# Altium PCB DB_Main-X03.PcbDoc (part 2 of 3) (continued)
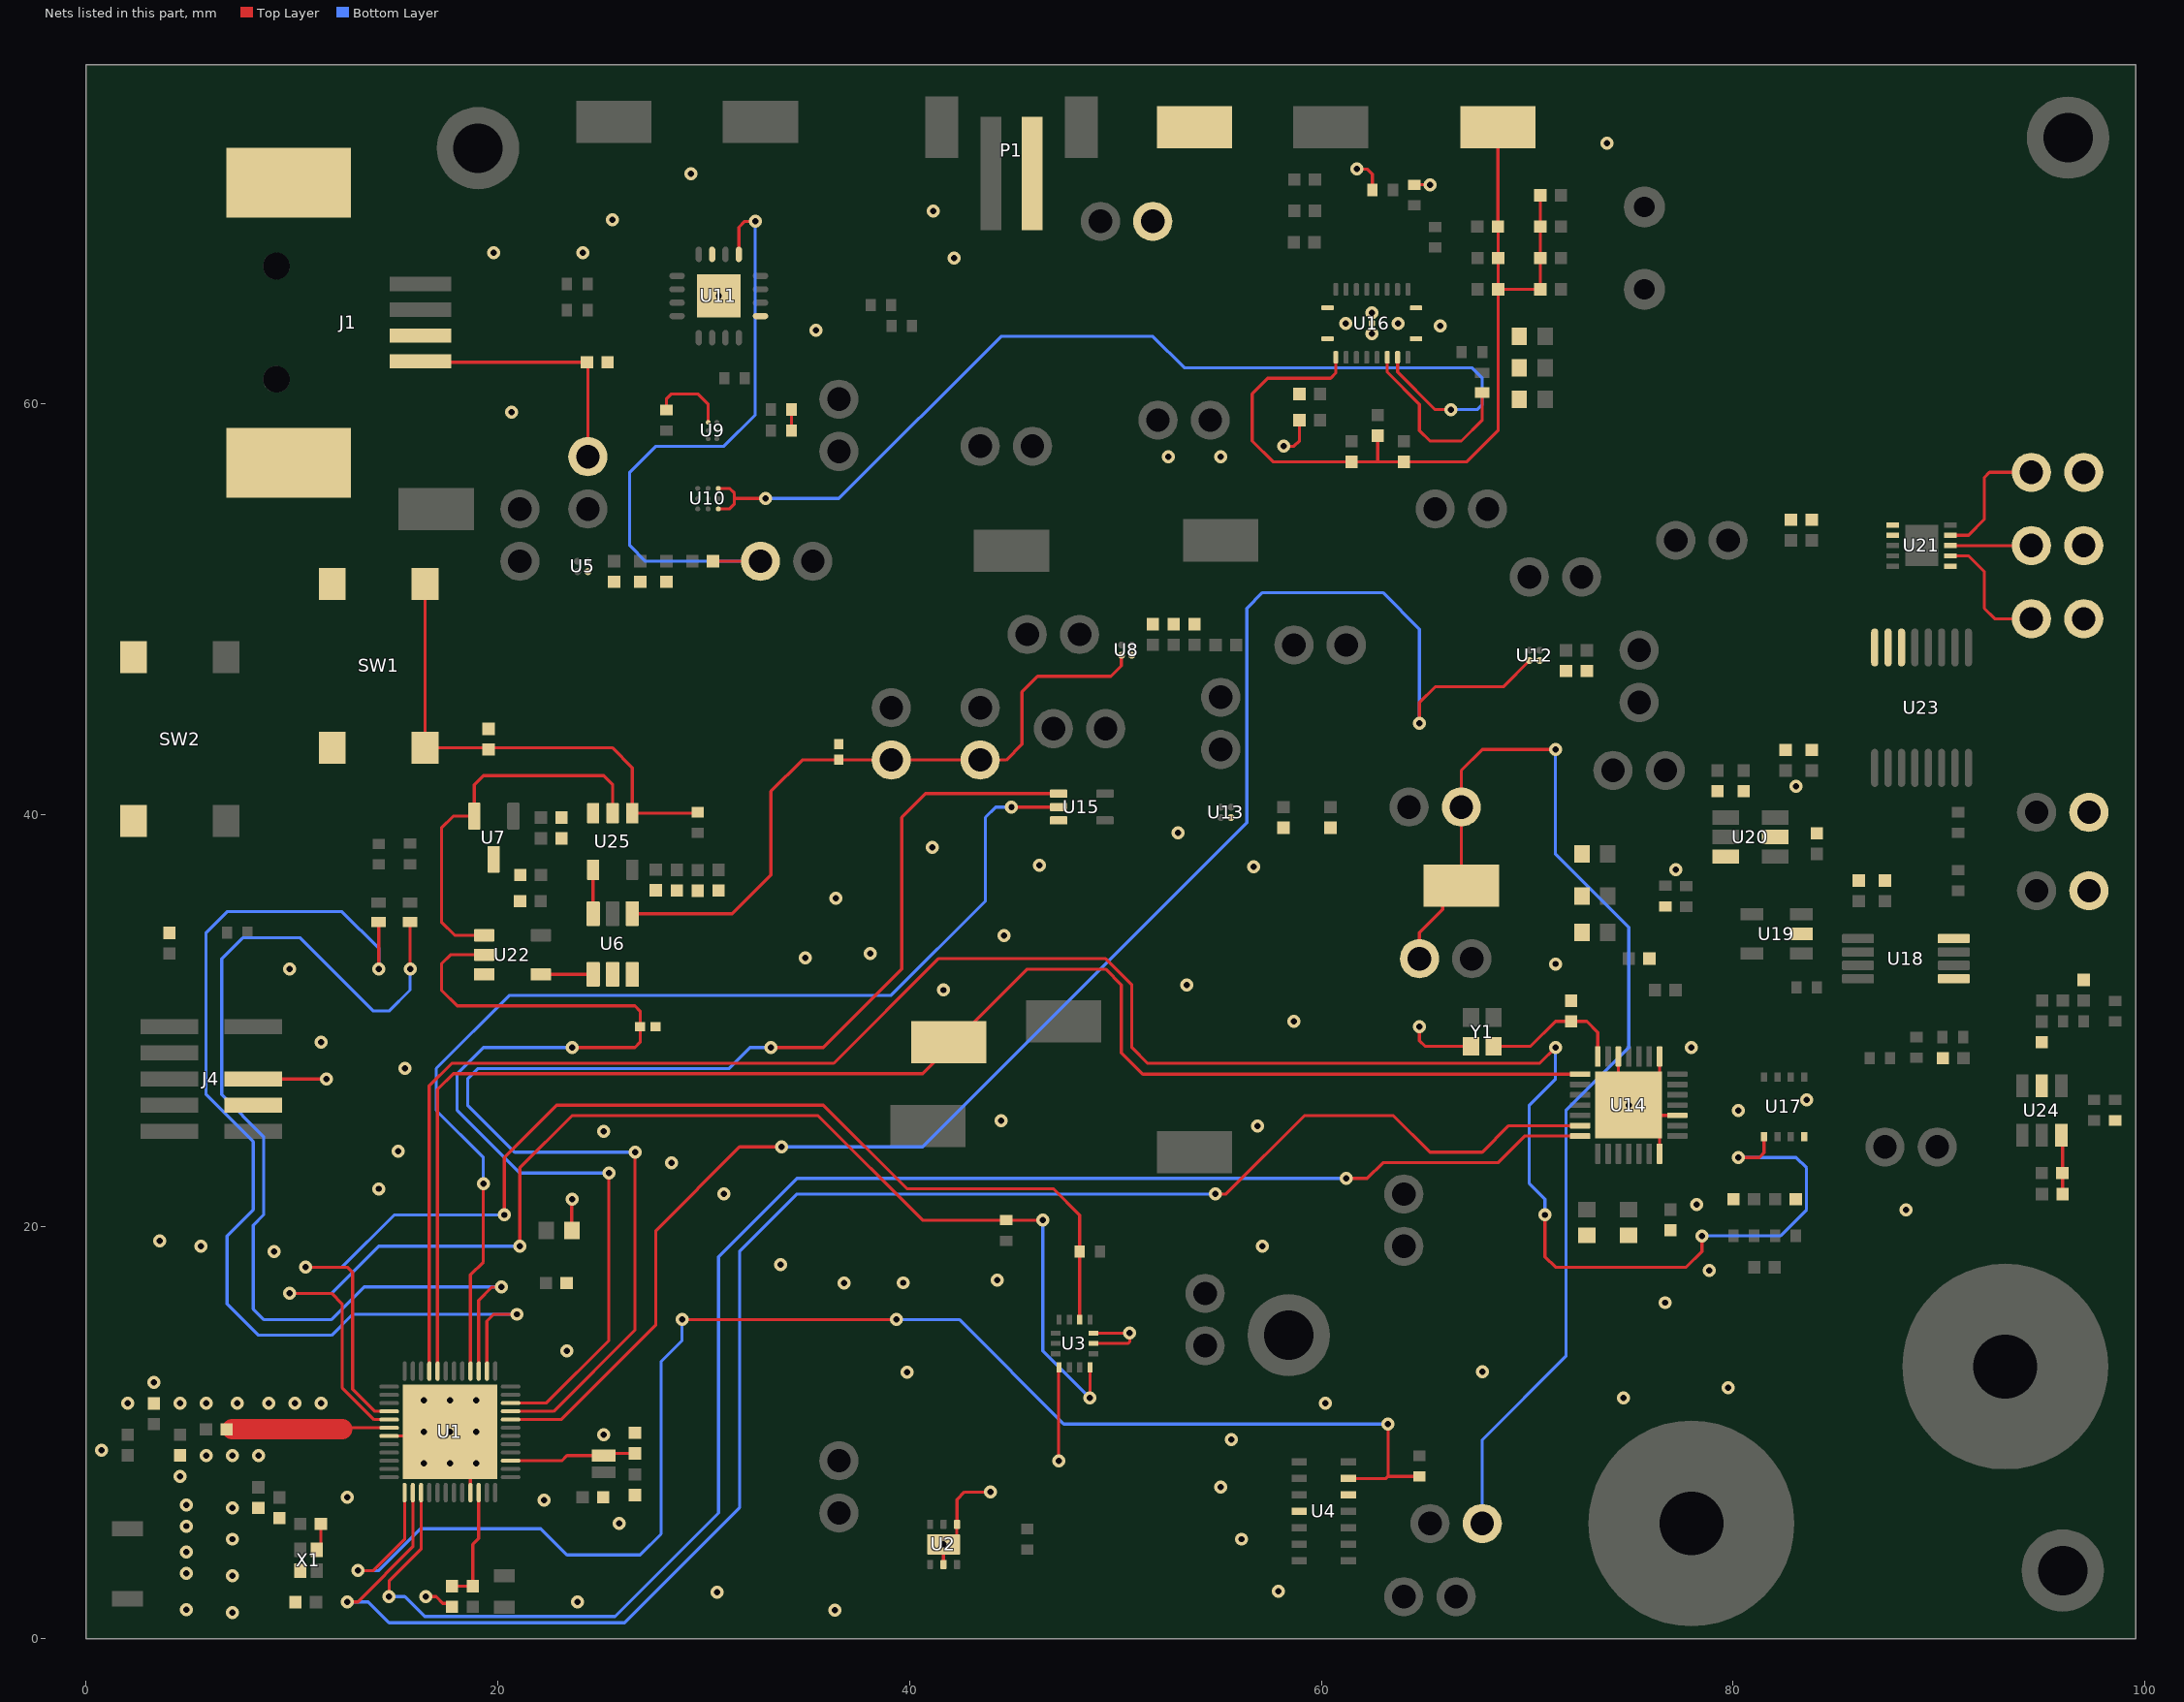
[diagram p2: the nets of this part, all layers, seen from the top]
## Part data (continued)
U16: library part TI-BQ51013B-RHL20, "WPC 1.1 Compatible Fully Integrated Wireless Power Receiver IC, 4 V Min Input, 20-pin VQFN (RHL), Green (RoHS & no Sb/Br)", Case/Package=VQFN, Manufacturer="Texas Instruments", Max Operating Temperature=125°C, Min Operating Temperature=0°C, Operating Supply Current=8mA, Output Current=1.5A, Output Voltage=5V, Package Quantity=3000, Supplier Part Number 1=296-38885-1-ND, Category="Power Management ICs", ComponentLink1Description=https://www.ti.com:443/lit/ds/symlink/bq51013b.pdf?src-supplier=IHS+Markit, ComponentLink1URL=https://www.ti.com:443/lit/ds/symlink/bq51013b.pdf?src-supplier=IHS+Markit, ComponentLink2Description=https://datasheet.ciiva.com/6601/bq51013b-6601292.pdf?src-supplier=Digi-Key, ComponentLink2URL=https://datasheet.ciiva.com/6601/bq51013b-6601292.pdf?src-supplier=Digi-Key, Contact Plating=Gold, Lead Free="Lead Free", Logic Function=Receiver, Manufacturer Part Number=BQ51013BRHLR, Mount="Surface Mount", Number of Pins=20, Packaging="Tape and Reel", Pricing 1="1=3.33000, 10=2.97000, 25=2.67320, 100=2.43540, 250=2.19780, 500=1.97208, 1000=1.66320 (USD)", RoHS=Yes, Stock 1=8882, Supplier 1=Digi-Key
U17: library part CY15B108QI, "Memory Circuit, 8 MB FRAM", Manufacturer=Cypress, Manufacturer Part Number=CY15B108QI-20LPXI, Supplier Part Number 1=428-4721-ND, Category=Memory, ComponentLink1Description=https://datasheet.ciiva.com:443/pdfs/VipMasterIC/IC/CYPR/CYPR-S-A0008987076/CYPR-S-A0008987076-1.pdf?src-supplier=IHS+Markit, ComponentLink1URL=https://datasheet.ciiva.com:443/pdfs/VipMasterIC/IC/CYPR/CYPR-S-A0008987076/CYPR-S-A0008987076-1.pdf?src-supplier=IHS+Markit, Pricing 1="1=32.50000, 10=30.55500, 25=29.50560, 50=28.56820, 100=25.13780, 250=24.46300, 500=23.71318, 1000=23.43200 (USD)", RoHS=No, Stock 1=1421, Supplier 1=Digi-Key
U18: library part AD8237, "Instrumentation Amplifier, 1 Func, 75uV Offset-Max, 0.2MHz Band Width, CMOS, PDSO8", Case/Package=MSOP, Input Bias Current=250pA, Input Offset Voltage (Vos)=75uV, Manufacturer="Analog Devices", Manufacturer Part Number=AD8237ARMZ-R7, Max Operating Temperature=125°C, Max Supply Voltage=5.5V, Min Operating Temperature=-40°C, Min Supply Voltage=1.8V, Nominal Supply Current=115uA, Output Current per Channel=4mA, Package Quantity=1, Supplier Part Number 1=AD8237ARMZ-R7CT-ND, Voltage Gain=60dB, -3db Bandwidth=200kHz, Bandwidth=20kHz, Category="Amplifiers - Op Amps, Buffer, Instrumentation", Common Mode Rejection Ratio=106dB, ComponentLink1Description=https://datasheet.ciiva.com:443/pdfs/VipMasterIC/IC/ANDI/ANDIS13412/ANDIS13412-1.pdf?src-supplier=IHS+Markit, ComponentLink1URL=https://datasheet.ciiva.com:443/pdfs/VipMasterIC/IC/ANDI/ANDIS13412/ANDIS13412-1.pdf?src-supplier=IHS+Markit, ComponentLink2Description=https://datasheet.ciiva.com/6626/ad8237-6626733.pdf?src-supplier=Digi-Key, ComponentLink2URL=https://datasheet.ciiva.com/6626/ad8237-6626733.pdf?src-supplier=Digi-Key, ComponentLink3Description=https://datasheet.ciiva.com/8582/ad8237-8582303.pdf?src-supplier=Avnet, ComponentLink3URL=https://datasheet.ciiva.com/8582/ad8237-8582303.pdf?src-supplier=Avnet, Contact Plating=Tin,Matte, Lead Free="Contains Lead", Mount="Surface Mount", Number of Channels=1, Number of Circuits=1, Number of Elements=1, Number of Pins=8, Operating Supply Current=115uA, Packaging="Tape and Reel", Pricing 1="1=2.68000, 10=2.40400, 25=2.27240, 100=1.86850, 250=1.67660, 500=1.61600 (USD)", RoHS=Yes, Slew Rate=0.15V/µs, Stock 1=18084, Supplier 1=Digi-Key
U19: library part CMP-0384-01459-1, "Single Channel Rail-to-Rail Operational Amplifier, 95 Hz BW, 13 mV/us SR, Industrial, 5-pin SOT23 (RJ-5), Reel", Case/Package=SOT-23-5, Input Bias Current=1pA, Input Capacitance=4.2pF, Input Offset Voltage (Vos)=2.5mV, Manufacturer="Analog Devices", Max Dual Supply Voltage=2.5V, Max Operating Temperature=125°C, Max Supply Voltage=5V, Min Dual Supply Voltage=900mV, Min Operating Temperature=-40°C, Min Supply Voltage=1.8V, Operating Supply Current=25.5uA, Operating Supply Voltage=3V, Output Current per Channel=45mA, Package Quantity=3000, Power Supply Rejection Ratio (PSRR)=110dB, Supplier Part Number 1=AD8505ARJZ-R7CT-ND, Voltage Gain=120dB, Bandwidth=95kHz, Category="Amplifiers - Op Amps, Buffer, Instrumentation", Common Mode Rejection Ratio=90dB, ComponentLink1Description=https://datasheet.ciiva.com:443/pdfs/VipMasterIC/IC/ANDI/ANDI-S-A0003407821/ANDI-S-A0003407815-1.pdf?src-supplier=IHS+Markit, ComponentLink1URL=https://datasheet.ciiva.com:443/pdfs/VipMasterIC/IC/ANDI/ANDI-S-A0003407821/ANDI-S-A0003407815-1.pdf?src-supplier=IHS+Markit, ComponentLink2Description=https://datasheet.ciiva.com/22712/1610834-22712017.pdf?src-supplier=Element14, ComponentLink2URL=https://datasheet.ciiva.com/22712/1610834-22712017.pdf?src-supplier=Element14, ComponentLink3Description=https://datasheet.ciiva.com/11711/ad8505-8506-8508-11711719.pdf?src-supplier=Avnet, ComponentLink3URL=https://datasheet.ciiva.com/11711/ad8505-8506-8508-11711719.pdf?src-supplier=Avnet, ComponentLink4Description=https://datasheet.ciiva.com/1135/1610834-1135532.pdf?src-supplier=Element14, ComponentLink4URL=https://datasheet.ciiva.com/1135/1610834-1135532.pdf?src-supplier=Element14, Contact Plating=Tin,Matte, Gain Bandwidth Product=95kHz, Lead Free="Contains Lead", Manufacturer Part Number=AD8505ARJZ-R7, Number of Amplifiers=1, Number of Channels=1, Number of Circuits=1, Number of Elements=1, Number of Pins=5, Packaging="Tape and Reel", Pricing 1="1=1.55000, 10=1.38700, 25=1.31600, 100=1.01050, 250=0.89300, 500=0.84600, 1000=0.68150 (USD)", Quiescent Current=25.5uA, REACH SVHC="No SVHC", RoHS=Yes, Slew Rate=0.013V/µs, Stock 1=2044, Supplier 1=Digi-Key, Unity Gain Bandwidth Product=95kHz
U20: library part CMP-0004-00333-1, "Low-Power, 8-Bit DAC with High-Speed I2C Input, -40 to 105 degC, 6-pin SOT23 (DBV6), Green (RoHS & no Sb/Br)", Case/Package=SOT-23, Manufacturer="Texas Instruments", Max Operating Temperature=105°C, Max Supply Voltage=5.5V, Min Operating Temperature=-40°C, Min Supply Voltage=2.7V, Nominal Supply Current=155uA, Operating Supply Voltage=5V, Package Quantity=250, Power Consumption=400uW, Supplier Part Number 1=296-17199-1-ND, Category="Digital to Analog Converters (DACs)", ComponentLink1Description=https://www.ti.com:443/lit/ds/symlink/dac5571.pdf?src-supplier=IHS+Markit, ComponentLink1URL=https://www.ti.com:443/lit/ds/symlink/dac5571.pdf?src-supplier=IHS+Markit, ComponentLink2Description=https://datasheet.ciiva.com/15146/getdatasheetpartid-184785-15146834.pdf?src-supplier=Verical, ComponentLink2URL=https://datasheet.ciiva.com/15146/getdatasheetpartid-184785-15146834.pdf?src-supplier=Verical, ComponentLink3Description=https://datasheet.ciiva.com/1597/dac5571-1597245.pdf?src-supplier=Newark, ComponentLink3URL=https://datasheet.ciiva.com/1597/dac5571-1597245.pdf?src-supplier=Newark, ComponentLink4Description=https://datasheet.ciiva.com/34302/1337393-34302226.pdf?src-supplier=Jameco, ComponentLink4URL=https://datasheet.ciiva.com/34302/1337393-34302226.pdf?src-supplier=Jameco, ComponentLink5Description=https://datasheet.ciiva.com/4779/slas405a-117423-4779268.pdf?src-supplier=Mouser, ComponentLink5URL=https://datasheet.ciiva.com/4779/slas405a-117423-4779268.pdf?src-supplier=Mouser, ComponentLink6Description=https://datasheet.ciiva.com/41460/001186519-da-01-en-8-bit-12c-single-dac5571idbvt-sot-23-tid-41460679.pdf?src-supplier=Conrad, ComponentLink6URL=https://datasheet.ciiva.com/41460/001186519-da-01-en-8-bit-12c-single-dac5571idbvt-sot-23-tid-41460679.pdf?src-supplier=Conrad, ComponentLink7Description=https://datasheet.ciiva.com/26235/dac5571-26235157.pdf?src-supplier=Avnet+Europe, ComponentLink7URL=https://datasheet.ciiva.com/26235/dac5571-26235157.pdf?src-supplier=Avnet+Europe, ComponentLink8Description=https://datasheet.ciiva.com/1362/dac5571-1362876.pdf?src-supplier=Digi-Key, ComponentLink8URL=https://datasheet.ciiva.com/1362/dac5571-1362876.pdf?src-supplier=Digi-Key, ComponentLink9Description=https://datasheet.ciiva.com/1362/dac5571-1362877.pdf?src-supplier=Digi-Key, ComponentLink9URL=https://datasheet.ciiva.com/1362/dac5571-1362877.pdf?src-supplier=Digi-Key, ComponentLink10Description=https://datasheet.ciiva.com/1362/dac5571-1362878.pdf?src-supplier=Digi-Key, ComponentLink10URL=https://datasheet.ciiva.com/1362/dac5571-1362878.pdf?src-supplier=Digi-Key, ComponentLink11Description=https://datasheet.ciiva.com/3040/dac5571-3040451.pdf?src-supplier=Avnet, ComponentLink11URL=https://datasheet.ciiva.com/3040/dac5571-3040451.pdf?src-supplier=Avnet, ComponentLink12Description=https://datasheet.ciiva.com/3040/dac5571-3040452.pdf?src-supplier=Avnet, ComponentLink12URL=https://datasheet.ciiva.com/3040/dac5571-3040452.pdf?src-supplier=Avnet, ComponentLink13Description=https://datasheet.ciiva.com/46430/1762718-46430597.pdf?src-supplier=Element14, ComponentLink13URL=https://datasheet.ciiva.com/46430/1762718-46430597.pdf?src-supplier=Element14, Contact Plating=Gold, Conversion Rate=188KS/s, Differential Nonlinearity=0.25LSB, Height=1.15mm, Integral Nonlinearity (INL)=1LSB, Interface=I2C, Lead Free="Lead Free", Length=2.9mm, Manufacturer Part Number=DAC5571IDBVT, Number of Bits=8, Number of Channels=1, Number of Converters=1, Number of DAC Channels=1, Number of Pins=6, Operating Supply Current=155uA, Output Type=Voltage, Packaging="Tape and Reel", Polarity=Unipolar, Pricing 1="1=1.49000, 10=1.34100, 25=1.26520, 100=1.01200 (USD)", Radiation Hardening=No, REACH SVHC="No SVHC", Resolution=8b, RoHS=Yes, Sampling Rate=188KS/s, Settling Time=8us, Stock 1=4888, Supplier 1=Digi-Key, Supply Type=Single, Weight=0.00127oz, Width=1.6mm
U21: library part FDC1004, "Analog Circuit, 1 Func, 4 Channel, PDSO10", Manufacturer="Texas Instruments", Manufacturer Part Number=FDC1004DSCR, Max Operating Temperature=125°C, Min Operating Temperature=-40°C, Supplier Part Number 1=296-46090-1-ND, Category="Integrated Circuits (ICs)", ComponentLink1Description=https://www.ti.com:443/lit/ds/symlink/fdc1004.pdf?src-supplier=IHS+Markit, ComponentLink1URL=https://www.ti.com:443/lit/ds/symlink/fdc1004.pdf?src-supplier=IHS+Markit, ComponentLink2Description=https://datasheet.ciiva.com/48512/fdc1004-48512055.pdf?src-supplier=Avnet, ComponentLink2URL=https://datasheet.ciiva.com/48512/fdc1004-48512055.pdf?src-supplier=Avnet, Interface=I2C, Lead Free="Lead Free", Number of Inputs=4, Number of Pins=10, Packaging="Tape and Reel", Pricing 1="1=7.13000, 5=6.25000, 10=5.62500, 25=5.00000, 50=4.62500, 100=4.00000, 500=3.75000 (USD)", Radiation Hardening=No, RoHS=Yes, Stock 1=1027, Supplier 1=Digi-Key
U22: library part CMP-0859-00176-3, "Single Positive-Edge-Triggered D-Type Flip-Flop, DBV0005A, LARGE T&R", Case/Package=SOT-23, Frequency=160MHz, High Level Output Current=-32mA, Low Level Output Current=32mA, Manufacturer="Texas Instruments", Max Operating Temperature=125°C, Max Supply Voltage=5.5V, Min Operating Temperature=-40°C, Min Supply Voltage=1.65V, Package Quantity=3000, Supplier Part Number 1=296-9851-1-ND, Category="Latches and Flip Flops", Clock Edge Trigger Type="Positive Edge", ComponentLink1Description=https://www.ti.com:443/lit/ds/symlink/sn74lvc1g80.pdf?src-supplier=IHS+Markit, ComponentLink1URL=https://www.ti.com:443/lit/ds/symlink/sn74lvc1g80.pdf?src-supplier=IHS+Markit, ComponentLink2Description=https://datasheet.ciiva.com/15091/getdatasheetpartid-71921-15091286.pdf?src-supplier=Verical, ComponentLink2URL=https://datasheet.ciiva.com/15091/getdatasheetpartid-71921-15091286.pdf?src-supplier=Verical, ComponentLink3Description=https://datasheet.ciiva.com/1854/sn74lvc1g80-1854761.pdf?src-supplier=Digi-Key, ComponentLink3URL=https://datasheet.ciiva.com/1854/sn74lvc1g80-1854761.pdf?src-supplier=Digi-Key, ComponentLink4Description=https://datasheet.ciiva.com/46395/1882705-46395835.pdf?src-supplier=Element14, ComponentLink4URL=https://datasheet.ciiva.com/46395/1882705-46395835.pdf?src-supplier=Element14, ComponentLink5Description=https://datasheet.ciiva.com/1854/sn74lvc1g80-1854762.pdf?src-supplier=Digi-Key, ComponentLink5URL=https://datasheet.ciiva.com/1854/sn74lvc1g80-1854762.pdf?src-supplier=Digi-Key, ComponentLink6Description=https://datasheet.ciiva.com/8055/1831218-8055610.pdf?src-supplier=Element14, ComponentLink6URL=https://datasheet.ciiva.com/8055/1831218-8055610.pdf?src-supplier=Element14, ComponentLink7Description=https://datasheet.ciiva.com/1854/sn74lvc1g80-1854763.pdf?src-supplier=Digi-Key, ComponentLink7URL=https://datasheet.ciiva.com/1854/sn74lvc1g80-1854763.pdf?src-supplier=Digi-Key, Lead Free="Lead Free", Logic Function=D-Type,Flip-Flop, Manufacturer Part Number=SN74LVC1G80DBVR, Max Frequency=160MHz, Mount="Surface Mount", Number of Bits=1, Number of Bits per Element=1, Number of Circuits=1, Number of Elements=1, Number of Gates=1, Number of Input Lines=1, Number of Output Lines=1, Number of Pins=5, Output Current=32mA, Packaging="Tape and Reel", Polarity=Inverting, Pricing 1="1=0.32000, 10=0.24000, 25=0.21000, 100=0.13590, 250=0.11252, 500=0.09000, 1000=0.06900 (USD)", Propagation Delay=9.9ns, Radiation Hardening=No, REACH SVHC="No SVHC", RoHS=Yes, Stock 1=12348, Supplier 1=Digi-Key, Turn-On Delay Time=1.1ns, Weight=0.000557oz
U23: library part CMP-0798-00197-1, "CMOS, Low Voltage, 2-Wire Serially Controlled, Matrix Switch, -40 to 85 degC, 16-pin SOP (RU-16), Tube", Case/Package=TSSOP, Drain to Source Resistance=2.5R, High Level Output Current=120mA, Manufacturer="Analog Devices", Max Operating Temperature=85°C, Max Power Dissipation=100uW, Max Supply Current=20uA, Max Supply Voltage=5.5V, Min Operating Temperature=-40°C, Min Supply Voltage=2.7V, On-State Resistance=4.5R, Operating Supply Current=10uA, Package Quantity=96, Supplier Part Number 1=ADG728BRUZ-ND, -3db Bandwidth=65MHz, Bandwidth=65MHz, Category="Decoders and Multiplexers", ComponentLink1Description=https://datasheet.ciiva.com:443/pdfs/VipMasterIC/IC/ANDI/ANDIS13257/ANDIS13257-1.pdf?src-supplier=IHS+Markit, ComponentLink1URL=https://datasheet.ciiva.com:443/pdfs/VipMasterIC/IC/ANDI/ANDIS13257/ANDIS13257-1.pdf?src-supplier=IHS+Markit, ComponentLink2Description=https://datasheet.ciiva.com/1171/1610644-1171108.pdf?src-supplier=Element14, ComponentLink2URL=https://datasheet.ciiva.com/1171/1610644-1171108.pdf?src-supplier=Element14, ComponentLink3Description=https://datasheet.ciiva.com/5797/adg728-729-5797207.pdf?src-supplier=Farnell, ComponentLink3URL=https://datasheet.ciiva.com/5797/adg728-729-5797207.pdf?src-supplier=Farnell, ComponentLink4Description=https://datasheet.ciiva.com/1668/adg728-729-1668904.pdf?src-supplier=Digi-Key, ComponentLink4URL=https://datasheet.ciiva.com/1668/adg728-729-1668904.pdf?src-supplier=Digi-Key, ComponentLink5Description=https://datasheet.ciiva.com/2978/adg728-729-2978667.pdf?src-supplier=Avnet, ComponentLink5URL=https://datasheet.ciiva.com/2978/adg728-729-2978667.pdf?src-supplier=Avnet, ComponentLink6Description=https://datasheet.ciiva.com/7986/adg728-729-7986413.pdf?src-supplier=Element14, ComponentLink6URL=https://datasheet.ciiva.com/7986/adg728-729-7986413.pdf?src-supplier=Element14, ComponentLink7Description=https://datasheet.ciiva.com/48708/001248036-da-01-en-ic-mux-demux-8x1-adg728bruz-tssop-16-adi-48708636.pdf?src-supplier=Conrad, ComponentLink7URL=https://datasheet.ciiva.com/48708/001248036-da-01-en-ic-mux-demux-8x1-adg728bruz-tssop-16-adi-48708636.pdf?src-supplier=Conrad, Contact Plating=Tin,Matte, Height=1.05mm, Interface=Serial,2-Wire, Lead Free="Contains Lead", Length=5mm, Manufacturer Part Number=ADG728BRUZ, Nominal Supply Current=20uA, Number of Bits=8, Number of Channels=1, Number of Circuits=1, Number of Inputs=8, Number of Outputs=1, Number of Pins=16, Packaging=Rail/Tube, Pricing 1="1=5.54000, 10=4.97400, 25=4.70240, 100=3.86650, 250=3.46940, 500=3.34400, 1000=3.03050 (USD)", Radiation Hardening=No, REACH SVHC="No SVHC", RoHS=Yes, Stock 1=1351, Supplier 1=Digi-Key, Throw Configuration=DPST, Turn-Off Delay Time=85ns, Turn-On Delay Time=95ns, Width=4.4mm
U24: library part CMP-0003-00255-2, "Self-Calibrating, 16-Bit ADC, -40 to 85 degC, 6-pin SOT23 (DBV6), Green (RoHS & no Sb/Br)", Case/Package=SOT-23, Manufacturer="Texas Instruments", Max Operating Temperature=85°C, Max Power Dissipation=750uW, Max Supply Voltage=5.5V, Min Operating Temperature=-40°C, Min Supply Voltage=2.7V, Nominal Supply Current=90uA, Operating Supply Voltage=5V, Package Quantity=250, Supplier Part Number 1=296-14298-1-ND, Category="Analog to Digital Converters (ADCs)", ComponentLink1Description=https://www.ti.com:443/lit/ds/symlink/ads1100.pdf?src-supplier=IHS+Markit, ComponentLink1URL=https://www.ti.com:443/lit/ds/symlink/ads1100.pdf?src-supplier=IHS+Markit, ComponentLink2Description=https://datasheet.ciiva.com/7226/70865-7226785.pdf?src-supplier=Newark, ComponentLink2URL=https://datasheet.ciiva.com/7226/70865-7226785.pdf?src-supplier=Newark, ComponentLink3Description=https://datasheet.ciiva.com/26943/getdatasheetpartid-228526-26943613.pdf?src-supplier=Verical, ComponentLink3URL=https://datasheet.ciiva.com/26943/getdatasheetpartid-228526-26943613.pdf?src-supplier=Verical, ComponentLink4Description=https://datasheet.ciiva.com/26797/ads1100a1idbvt-26797549.pdf?src-supplier=IIIC, ComponentLink4URL=https://datasheet.ciiva.com/26797/ads1100a1idbvt-26797549.pdf?src-supplier=IIIC, ComponentLink5Description=https://datasheet.ciiva.com/1261/ads1100-1261111.pdf?src-supplier=Digi-Key, ComponentLink5URL=https://datasheet.ciiva.com/1261/ads1100-1261111.pdf?src-supplier=Digi-Key, ComponentLink6Description=https://datasheet.ciiva.com/3038/sbas239b-3038715.pdf?src-supplier=Avnet, ComponentLink6URL=https://datasheet.ciiva.com/3038/sbas239b-3038715.pdf?src-supplier=Avnet, ComponentLink7Description=https://datasheet.ciiva.com/1261/ads1100-1261110.pdf?src-supplier=Digi-Key, ComponentLink7URL=https://datasheet.ciiva.com/1261/ads1100-1261110.pdf?src-supplier=Digi-Key, ComponentLink8Description=https://datasheet.ciiva.com/26236/sbas239b-26236358.pdf?src-supplier=Avnet+Europe, ComponentLink8URL=https://datasheet.ciiva.com/26236/sbas239b-26236358.pdf?src-supplier=Avnet+Europe, ComponentLink9Description=https://datasheet.ciiva.com/1261/ads1100-1261112.pdf?src-supplier=Digi-Key, ComponentLink9URL=https://datasheet.ciiva.com/1261/ads1100-1261112.pdf?src-supplier=Digi-Key, ComponentLink10Description=https://datasheet.ciiva.com/22696/1882275-22696410.pdf?src-supplier=Element14, ComponentLink10URL=https://datasheet.ciiva.com/22696/1882275-22696410.pdf?src-supplier=Element14, ComponentLink11Description=https://datasheet.ciiva.com/3038/sbas239b-3038716.pdf?src-supplier=Avnet, ComponentLink11URL=https://datasheet.ciiva.com/3038/sbas239b-3038716.pdf?src-supplier=Avnet, Contact Plating=Gold, Conversion Rate=128S/s, Differential Nonlinearity=1LSB, Height=1.15mm, Interface=I2C, Lead Free="Lead Free", Length=2.9mm, Manufacturer Part Number=ADS1100A1IDBVT, Max Supply Voltage (DC)=5.5V, Min Supply Voltage (DC)=2.7V, Number of A/D Converters=1, Number of Analog Inputs=1, Number of Bits=16, Number of Channels=1, Number of Converters=1, Number of Elements=1, Number of Inputs=1, Number of Pins=6, Packaging="Tape and Reel", Polarity=Bipolar, Power Dissipation=750uW, Pricing 1="1=5.33000, 10=4.79100, 25=4.52920, 100=3.72410 (USD)", Radiation Hardening=No, REACH SVHC="No SVHC", Resolution=16b, RoHS=Yes, Sampling Rate=128S/s, Stock 1=376, Supplier 1=Digi-Key, Supply Type=Single, Width=1.6mm
U25: library part CMP-0859-00043-3, "Single 2-Input Positive-AND Gate, DBV0005A, LARGE T&R", Case/Package=SOT-23, High Level Output Current=-8mA, Low Level Output Current=8mA, Manufacturer="Texas Instruments", Max Operating Temperature=125°C, Max Supply Voltage=5.5V, Min Operating Temperature=-55°C, Min Supply Voltage=2V, Package Quantity=1, Quiescent Current=1uA, Supplier Part Number 1=296-1091-1-ND, Category="Logic Gates", ComponentLink1Description=https://www.ti.com:443/lit/ds/symlink/sn74ahc1g08.pdf?src-supplier=IHS+Markit, ComponentLink1URL=https://www.ti.com:443/lit/ds/symlink/sn74ahc1g08.pdf?src-supplier=IHS+Markit, ComponentLink2Description=https://datasheet.ciiva.com/14132/sn74ahc1g08-eng-tds-14132659.pdf?src-supplier=Distrelec, ComponentLink2URL=https://datasheet.ciiva.com/14132/sn74ahc1g08-eng-tds-14132659.pdf?src-supplier=Distrelec, ComponentLink3Description=https://datasheet.ciiva.com/14290/sn74ahc1g08-14290538.pdf?src-supplier=Avnet, ComponentLink3URL=https://datasheet.ciiva.com/14290/sn74ahc1g08-14290538.pdf?src-supplier=Avnet, ComponentLink4Description=https://datasheet.ciiva.com/16503/sn74ahc1g08-16503596.pdf?src-supplier=Avnet+Asia, ComponentLink4URL=https://datasheet.ciiva.com/16503/sn74ahc1g08-16503596.pdf?src-supplier=Avnet+Asia, ComponentLink5Description=https://datasheet.ciiva.com/1864/sn74ahc1g08-1864197.pdf?src-supplier=Digi-Key, ComponentLink5URL=https://datasheet.ciiva.com/1864/sn74ahc1g08-1864197.pdf?src-supplier=Digi-Key, ComponentLink6Description=https://datasheet.ciiva.com/26048/sn74ahc1g08-26048613.pdf?src-supplier=Avnet+Europe, ComponentLink6URL=https://datasheet.ciiva.com/26048/sn74ahc1g08-26048613.pdf?src-supplier=Avnet+Europe, ComponentLink7Description=https://datasheet.ciiva.com/1864/sn74ahc1g08-1864198.pdf?src-supplier=Digi-Key, ComponentLink7URL=https://datasheet.ciiva.com/1864/sn74ahc1g08-1864198.pdf?src-supplier=Digi-Key, ComponentLink8Description=https://datasheet.ciiva.com/46384/1882822-46384390.pdf?src-supplier=Element14, ComponentLink8URL=https://datasheet.ciiva.com/46384/1882822-46384390.pdf?src-supplier=Element14, ComponentLink9Description=https://datasheet.ciiva.com/1864/sn74ahc1g08-1864199.pdf?src-supplier=Digi-Key, ComponentLink9URL=https://datasheet.ciiva.com/1864/sn74ahc1g08-1864199.pdf?src-supplier=Digi-Key, ComponentLink10Description=https://datasheet.ciiva.com/14290/sn74ahc1g08-14290535.pdf?src-supplier=Avnet, ComponentLink10URL=https://datasheet.ciiva.com/14290/sn74ahc1g08-14290535.pdf?src-supplier=Avnet, Contact Plating=Tin,Matte, Height=1.15mm, Lead Free="Lead Free", Length=2.9mm, Logic Function="AND GATE", Manufacturer Part Number=SN74AHC1G08DBVR, Max Output Current=8mA, Mount="Surface Mount", Number of Bits=1, Number of Circuits=1, Number of Elements=1, Number of Gates=1, Number of Input Lines=2, Number of Inputs=2, Number of Output Lines=1, Number of Outputs=1, Number of Pins=5, Output Current=8mA, Packaging="Tape and Reel", Pricing 1="1=0.29000, 10=0.23700, 25=0.19800, 100=0.12540, 250=0.09680, 500=0.08250, 1000=0.05610 (USD)", Propagation Delay=7.9ns, Radiation Hardening=No, REACH SVHC="No SVHC", RoHS=Yes, Schmitt Trigger Input=No, Stock 1=70482, Supplier 1=Digi-Key, Termination=SMD/SMT, Turn-On Delay Time=9ns, Weight=0.000557oz, Width=1.6mm
X1: library part CRYSTAL_32MHz, "Parallel - Fundamental Quartz Crystal, 32MHz Nom", Case/Package=SMD/SMT, ESR (Equivalent Series Resistance)=80R, Frequency Stability=10ppm, Load Capacitance=8pF, Manufacturer=Diodes, Manufacturer Part Number=US3200005Z, Max Operating Temperature=70°C, Min Operating Temperature=-20°C, Supplier Part Number 1=US3200005ZCT-ND, Category=Crystals, ComponentLink1Description=https://datasheet.ciiva.com:443/pdfs/VipMasterIC/IC/DIOD/DIOD-S-A0002236499/DIOD-S-A0002236499-1.pdf?src-supplier=IHS+Markit, ComponentLink1URL=https://datasheet.ciiva.com:443/pdfs/VipMasterIC/IC/DIOD/DIOD-S-A0002236499/DIOD-S-A0002236499-1.pdf?src-supplier=IHS+Markit, ComponentLink2Description=https://media.digikey.com/pdf/Data%20Sheets/Pericom%20PDFs/US3200005Z_Ver.A.pdf?src-supplier=Digi-Key, ComponentLink2URL=https://media.digikey.com/pdf/Data%20Sheets/Pericom%20PDFs/US3200005Z_Ver.A.pdf?src-supplier=Digi-Key, Frequency=32MHz, Frequency Tolerance=10ppm, Height=0.014inch, Length=0.063inch, Mount="Surface Mount", Packaging="Tape and Reel", Pricing 1="1=1.45000, 10=1.38400, 50=1.35200, 100=1.15880, 500=1.12666, 1000=0.94961 (USD)", RoHS=Yes, Supplier 1=Digi-Key, Width=0.047inch
X2: library part CRYSTAL_32K768, "Parallel - Fundamental Quartz Crystal, 0.032768MHz Nom", Case/Package=SMD/SMT, ESR (Equivalent Series Resistance)=90kR, Frequency=32.768kHz, Frequency Tolerance=20ppm, Load Capacitance=9pF, Manufacturer="ECS International", Manufacturer Part Number=ECS-.327-9-1210-TR, Max Operating Temperature=85°C, Min Operating Temperature=-40°C, Supplier Part Number 1=XC2283CT-ND, Category="Crystals and Oscillators", ComponentLink1Description=https://datasheet.ciiva.com:443/pdfs/VipMasterIC/IC/ECSI/ECSI-S-A0009254912/ECSI-S-A0009254912-1.pdf?src-supplier=IHS+Markit, ComponentLink1URL=https://datasheet.ciiva.com:443/pdfs/VipMasterIC/IC/ECSI/ECSI-S-A0009254912/ECSI-S-A0009254912-1.pdf?src-supplier=IHS+Markit, ComponentLink2Description=https://www.ecsxtal.com/store/pdf/ECX-1210.pdf?src-supplier=Digi-Key, ComponentLink2URL=https://www.ecsxtal.com/store/pdf/ECX-1210.pdf?src-supplier=Digi-Key, Mount="Surface Mount", Packaging="Tape and Reel", Pricing 1="1=1.52000, 10=1.45400, 50=1.42060, 100=1.21770, 500=1.18388, 1000=0.99784, 2500=0.94710 (USD)", RoHS=No, Stock 1=5205, Supplier 1=Digi-Key
Y1: library part OSCILLATOR_32K768, "Oscillator Xo 0.032768MHZ ±25PPM 15PF Lvcmos/lvttl 55% 1.8V 4-PIN Csmd T/r", Case/Package=SMD/SMT, Frequency=32.768kHz, Frequency Stability=25ppm, Load Capacitance=15pF, Manufacturer=Diodes, Manufacturer Part Number=KX2013B0032.768000, Max Operating Temperature=70°C, Max Supply Current=30uA, Max Supply Voltage=1.89V, Min Operating Temperature=-20°C, Min Supply Voltage=1.71V, Operating Supply Voltage=1.8V, Package Quantity=100, Supplier Part Number 1=31-KX2013B0032.768000CT-ND, Category=Oscillators, ComponentLink1Description=http://www.mouser.com/ds/2/322/KX201-Rev-A-461590.pdf?src-supplier=Mouser, ComponentLink1URL=http://www.mouser.com/ds/2/322/KX201-Rev-A-461590.pdf?src-supplier=Mouser, ComponentLink2Description=https://www.pericom.com/assets/Datasheets/KX201.pdf?src-supplier=Digi-Key, ComponentLink2URL=https://www.pericom.com/assets/Datasheets/KX201.pdf?src-supplier=Digi-Key, ComponentLink3Description=https://www.diodes.com/assets/Datasheets/KX201.pdf?src-supplier=Digi-Key, ComponentLink3URL=https://www.diodes.com/assets/Datasheets/KX201.pdf?src-supplier=Digi-Key, Height=0.033inch, Length=0.079inch, Max Duty Cycle=55%, Mount="Surface Mount", Packaging="Cut Strip", Pricing 1="1=3.22000, 10=3.14700, 50=2.99700, 100=2.62240, 500=2.54746, 1000=2.17283 (USD)", RoHS=Yes, Stock 1=1562, Supplier 1=Digi-Key, Termination=SMD/SMT, Width=0.063inch

## Via types
v1: diameter 0.635, hole 0.305, Top Layer to Bottom Layer, 237 vias
v2: diameter 0.635, hole 0.305, Top Layer to Bottom Layer, tented top, 1 vias

## Nets (pads, with @x,y where several pads share a name; then routed paths per layer and width w, separated by ;. In a path a pad name is that pad's centre, name@x,y a point inside that pad or via, vN(x,y) a via of type N, cw(c..) or ccw(c..) an arc to the next point about the centre after c; other vN are vias at no path point)
1.8V: TP3.1 TP16.2 TP27.1 TP29.1 | length 57
  Top Layer w0.152: TP27.1@64.77,33.02 64.77,34.29 65.892,35.412 65.892,35.666 TP3.1@66.802,36.576 TP16.2@66.802,40.386 66.802,42.164 67.818,43.18 v1(71.374,43.18)
  Bottom Layer w0.152: TP29.1@67.818,5.588 67.818,9.652 71.882,13.716 71.882,25.654 74.93,28.702 74.93,34.544 71.374,38.1 v1(71.374,43.18)
3V3_USB: L7.2 TP36.1 U11.1 | length 31.4
  Top Layer w0.152: L7.2@30.464,52.324 TP36.1@32.766,52.324 ; U11.1@31.716,67.232 31.716,68.546 32.004,68.834 v1(32.512,68.834)
  Bottom Layer w0.152: v1(32.512,68.834) 32.512,59.436 30.988,57.912 27.686,57.912 26.416,56.642 26.416,53.086 27.178,52.324 TP36.1@32.766,52.324
\B\T\_\E\N\: C76.2 R3.2 SW1.1 SW1.2 U25.1 | length 23.8
  Top Layer w0.152: SW1.1@16.474,51.219 SW1.2@16.474,43.269 25.565,43.269 26.538,42.296 U25.1@26.538,40.088 29.674,40.088 R3.2@29.718,40.132
\H\E\_\E\N\: U7.2 U22.1 U25.2 | length 18.7
  Top Layer w0.152: U22.1@19.348,34.158 17.912,34.158 17.272,34.798 17.272,39.37 17.848,39.946 U7.2@18.862,39.946 18.862,41.468 19.304,41.91 25.146,41.91 25.588,41.468 U25.2@25.588,40.088
\P\O\W\E\R\_\E\N\: U6.6 U25.4 | length 2.1
  Top Layer w0.152: U6.6@24.638,35.208 U25.4@24.638,37.338
\Q\_\O\U\T\: U6.1 U22.4 | length 2.5
  Top Layer w0.152: U22.4@22.098,32.258 U6.1@24.638,32.258
BLE_ANT: C30.1 U1.30 | length 7.7
  Top Layer w0.152: 12.446,10.16 12.522,10.236 U1.30@14.732,10.236
  Top Layer w0.991: C30.1@7.112,10.16 12.446,10.16
BLOCKING_FET_EN: U10.A1 U10.C1 U16.8 | length 49.7
  Top Layer w0.152: U10.A1@30.718,54.864 31.242,54.864 31.496,55.118 31.496,55.372 ; U10.C1@30.718,55.864 31.258,55.864 31.496,55.626 31.496,55.372 ; v1(33.02,55.372) 31.496,55.372 ; U16.8@63.706,62.232 63.706,61.516 65.532,59.69 v1(66.294,59.69)
  Bottom Layer w0.152: v1(33.02,55.372) 36.576,55.372 44.45,63.246 51.816,63.246 53.34,61.722 67.31,61.722 67.818,61.214 67.818,59.944 67.564,59.69 v1(66.294,59.69)
BMI160_INT1: R21.2 U1.29 U3.4 | length 65.3
  Top Layer w0.152: v1(9.906,16.764) 11.938,16.764 12.446,16.256 12.446,12.192 14.002,10.636 U1.29@14.732,10.636 ; v1(21.082,19.05) 21.082,22.86 23.622,25.4 35.56,25.4 40.64,20.32 R21.2@44.704,20.32 v1(46.482,20.32) ; v1(48.768,11.684) U3.4@48.768,13.169
  Bottom Layer w0.152: v1(9.906,16.764) 11.938,16.764 14.224,19.05 v1(21.082,19.05) ; v1(46.482,20.32) 46.482,13.97 v1(48.768,11.684)
BMI160_INT2: R20.2 U1.28 U3.9 | length 60.1
  Top Layer w0.152: v1(10.668,18.034) 12.7,18.034 12.954,17.78 12.954,12.115 14.033,11.036 U1.28@14.732,11.036 ; v1(20.32,20.574) 20.32,23.368 22.86,25.908 35.814,25.908 39.878,21.844 46.99,21.844 48.268,20.566 48.268,18.796 U3.9@48.268,15.494
  Bottom Layer w0.152: v1(10.668,18.034) 12.446,18.034 14.986,20.574 v1(20.32,20.574)
CAP_S1: TP40.1 U21.2 | length 6.2
  Top Layer w0.152: U21.2@90.554,52.586 91.432,52.586 92.202,51.816 92.202,50.038 92.71,49.53 TP40.1@94.488,49.53
CAP_S2: TP41.1 U21.3 | length 3.9
  Top Layer w0.152: U21.3@90.554,53.086 TP41.1@94.488,53.086
CAP_S3: TP42.1 U21.4 | length 6.4
  Top Layer w0.152: U21.4@90.554,53.586 91.432,53.586 92.202,54.356 92.202,56.388 92.456,56.642 TP42.1@94.488,56.642
CHG_N: D1.K U16.7 | length 9.2
  Top Layer w0.152: U16.7@63.206,62.232 63.206,61.508 64.77,59.944 64.77,58.674 65.278,58.166 66.802,58.166 67.818,59.182 D1.K@67.818,60.518
DEC4: C25.2 L2.1 U1.46 | length 5.7
  Top Layer w0.152: C25.2@17.78,2.54 L2.1@18.796,2.54 18.796,4.572 19.082,4.858 U1.46@19.082,7.086
ENABLE_LDO: R1.1 TP20.2 TP21.2 U6.4 U8.B1 | length 33.1
  Top Layer w0.152: U6.4@26.538,35.208 31.398,35.208 33.274,37.084 33.274,41.148 34.798,42.672 36.576,42.672 37.592,42.672 40.132,42.672 TP21.2@43.434,42.672 44.704,42.672 45.466,43.434 45.466,45.974 46.228,46.736 49.784,46.736 50.292,47.244 50.292,47.752 U8.B1@50.3,47.76
ENABLE_MAX30003_SUPPLY: U1.16 U15.2 | length 53.8
  Top Layer w0.152: U1.16@18.682,12.986 18.682,17.666 19.304,18.288 v1(19.304,22.098) ; v1(44.958,40.386) U15.2@47.244,40.386
  Bottom Layer w0.152: v1(19.304,22.098) 19.304,23.368 17.018,25.654 17.018,27.686 20.574,31.242 39.116,31.242 43.688,35.814 43.688,39.878 44.196,40.386 v1(44.958,40.386)
ENABLE_MAX30102_LED: U1.8 U12.B1 | length 82.1
  Top Layer w0.152: U1.8@20.632,10.636 23.082,10.636 27.686,15.24 27.686,19.812 31.75,23.876 v1(33.782,23.876) ; v1(64.765,44.455) 64.77,44.46 64.77,45.466 65.532,46.228 68.834,46.228 U12.B1@70.108,47.502
  Bottom Layer w0.152: v1(33.782,23.876) 40.64,23.876 56.388,39.624 56.388,50.038 57.15,50.8 62.992,50.8 64.77,49.022 64.77,44.46 v1(64.765,44.455)
ENABLE_MAX30102_SUPPLY: U1.9 U15.1 | length 65.4
  Top Layer w0.152: U1.9@20.632,11.036 22.72,11.036 26.67,14.986 v1(26.67,23.622) ; v1(33.274,28.702) 35.814,28.702 39.624,32.512 39.624,39.878 40.782,41.036 U15.1@47.244,41.036
  Bottom Layer w0.152: v1(26.67,23.622) 20.828,23.622 18.542,25.908 18.542,27.178 19.05,27.686 31.242,27.686 32.258,28.702 v1(33.274,28.702)
FRAM_CS: U1.21 U17.1 | length 109
  Top Layer w0.152: U1.21@16.682,12.986 16.682,26.842 17.78,27.94 36.322,27.94 41.402,33.02 49.53,33.02 50.8,31.75 50.8,28.702 51.562,27.94 70.612,27.94 v1(71.374,28.702) ; 70.858,19.05 v1(70.858,20.574) ; 70.866,19.558 70.866,18.542 71.374,18.034 77.724,18.034 78.486,18.796 v1(78.486,19.558) ; v1(80.264,23.368) 81.28,23.368 81.504,23.592 U17.1@81.504,24.384
  Bottom Layer w0.152: v1(70.858,20.574) 70.858,21.344 70.104,22.098 70.104,25.908 71.374,27.178 v1(71.374,28.702) ; v1(78.486,19.558) 82.296,19.558 83.566,20.828 83.566,22.86 83.058,23.368 v1(80.264,23.368)
GND: C1.2 C2.1 C16.2 C17.2 C18.2 C19.1 C20.1 C21.1 C22.2 C23.2 C24.2 C25.1 C26.2 C27.2 C28.2 C29.1 C31.2 C32.2 C33.2 C34.2 C35.1 C36.1 C37.2 C38.2 C39.2 C40.1 C41.2 C42.1 C43.2 C44.1 C46.1 C47.1 C48.2 C49.1 C50.1 C51.2 C53.2 C54.2 C55.2 C56.1 C57.1 C59.2 C60.2 C61.2 C62.2 C63.2 C64.2 C65.2 C66.2 C67.2 C68.2 C69.2 C70.2 C71.2 C72.2 C73.1 C74.2 C75.1 C76.1 C77.2 C78.1 J1.4 J1.Shell J4.3 J4.5 L5.1 P1.2 R1.2 R2.2 R8.1 R9.1 R11.1 R12.2 R13.2 R23.2 R35.2 SW1.3 SW1.4 SW2.3 SW2.4 TP8.1 TP25.1 TP37.2 TP40.2 TP41.2 TP42.2 TP45.1 U1.31 U1.45 U1.49 U2.2 U2.4 U2.7 U3.1 U3.6 U3.7 U4.4 U4.12 U5.B2 U6.2 U6.3 U7.3 U8.B2 U9.C2 U11.3 U11.13 U11.17 U12.B2 U13.B2 U14.3 U14.8 U14.12 U14.28 U14.29 U15.3 U16.1 U16.10 U16.11 U16.20 U16.21 U17.4 U18.1 U18.4 U19.2 U20.2 U20.6 U21.1 U21.6 U21.7 U22.3 U23.14 U23.15 U23.16 U24.2 U24.6 U25.3 X1.2 X1.4 Y1.2 | length 54.9
  Top Layer w0.152: J4.5@8.131,27.178 v1(11.684,27.178) ; X1.2@11.214,4.302 11.414,4.502 C22.2@11.414,5.572 ; U1.31@14.732,9.836 U1.49@17.482,9.836 ; v1(16.51,2.032) 17.018,2.032 17.341,1.709 17.611,1.709 C25.1@17.78,1.54 ; U1.49@16.682,11.036 17.132,10.586 v1(17.682,10.036) 18.682,9.036 U1.45@18.682,7.086 ; C29.1@23.602,19.812 23.602,21.316 v1(23.622,21.336) ; R9.1@28.194,59.674 28.194,60.198 28.448,60.452 29.718,60.452 30.226,59.944 U9.C2@30.226,59.074 ; R8.1@34.274,58.674 R11.1@34.274,59.69 ; U2.2@41.656,3.597 v1(41.656,4.572) 41.872,4.572 42.295,4.996 42.295,5.536 U2.4@42.306,5.547 42.306,6.746 42.672,7.112 v1(43.942,7.112) ; v1(47.244,8.636) 47.244,13.145 U3.1@47.268,13.169 ; U3.6@48.93,14.332 50.611,14.332 50.701,14.421 v1(50.701,14.831) U3.7@48.93,14.831 ; v1(58.166,57.912) 58.674,57.912 58.944,58.182 C21.1@58.944,59.182 ; v1(61.722,71.374) 62.23,71.374 62.484,71.12 R13.2@62.484,70.358 ; R12.2@64.516,70.612 v1(65.278,70.612) ; v1(64.77,29.718) 64.77,29.034 65.04,28.764 Y1.2@67.268,28.764 ; U14.12@74.43,28.268 74.43,26.408 v1(74.93,25.908) ; U14.28@76.43,23.548 76.43,24.408 U14.29@75.43,25.408 ; U14.8@76.43,28.268 76.43,27.408 v1(74.93,25.908) ; U14.3@77.29,25.408 U14.29@75.43,25.408 ; U24.6@95.946,24.454 96.004,24.396 C70.2@96.004,21.59 ; v1(74.93,25.908) U14.29@75.43,25.408
  other v1: 7.112,1.27 36.375,1.369 4.875,1.397 23.876,1.778 30.657,2.245 57.912,2.286 7.112,3.048 4.875,3.175 4.875,4.191 7.112,4.826 56.134,4.826 4.875,5.461 25.908,5.588 7.112,6.35 4.875,6.477 22.264,6.718 12.7,6.858 55.118,7.366 4.572,7.874 16.412,8.512 17.682,8.512 18.952,8.512 5.842,8.89 7.112,8.89 8.382,8.89 0.762,9.144 55.626,9.652 25.146,9.906 16.412,10.036 18.952,10.036 2.032,11.43 4.572,11.43 5.842,11.43 7.366,11.43 8.89,11.43 10.16,11.43 11.43,11.43 60.198,11.43 16.412,11.56 17.682,11.56 18.952,11.56 74.676,11.684 79.756,12.192 3.302,12.446 39.879,12.943 67.818,12.954 23.368,13.97 76.693,16.313 36.83,17.272 39.695,17.278 44.26,17.416 78.836,17.887 33.746,18.154 9.144,18.796 5.588,19.05 57.15,19.05 3.589,19.307 88.392,20.828 78.232,21.082 30.988,21.59 14.224,21.844 28.448,23.114 15.169,23.659 25.146,24.638 56.896,24.892 44.45,25.146 80.264,25.654 83.566,26.162 15.494,27.686 77.978,28.702 11.43,28.956 58.674,29.972 41.656,31.496 53.474,31.748 9.906,32.512 71.374,32.766 34.934,33.06 38.1,33.274 44.598,34.153 36.421,35.946 77.216,37.338 56.71,37.477 46.303,37.564 41.1,38.439 53.037,39.138 83.058,41.402 52.578,57.404 55.118,57.404 20.679,59.559 62.456,63.374 35.459,63.538 65.786,63.754 61.181,63.882 63.731,63.882 62.456,64.39 30.741,65.207 42.164,67.056 19.812,67.31 24.13,67.31 25.576,68.916 41.148,69.342 29.381,71.146 73.867,72.625
LED_BLE: D4.K U1.14 | length 51.5
  Top Layer w0.152: v1(14.224,32.512) D4.K@14.224,34.798 ; U1.14@19.482,12.986 19.482,15.418 19.812,15.748 v1(20.942,15.748)
  Bottom Layer w0.152: v1(14.224,32.512) 14.224,33.528 12.446,35.306 6.858,35.306 5.842,34.29 5.842,26.416 8.128,24.13 8.128,20.828 6.858,19.558 6.858,16.256 8.382,14.732 11.938,14.732 12.954,15.748 v1(20.942,15.748)
LED_IND: D2.K U1.15 | length 50.6
  Top Layer w0.152: v1(15.748,32.512) D2.K@15.748,34.798 ; U1.15@19.082,12.986 19.082,16.428 19.724,17.07 20.168,17.07 v1(20.18,17.081)
  Bottom Layer w0.152: v1(15.748,32.512) 15.748,31.496 14.732,30.48 13.97,30.48 10.414,34.036 7.62,34.036 6.604,33.02 6.604,26.416 8.636,24.384 8.636,20.574 8.128,20.066 8.128,16.002 8.636,15.494 11.938,15.494 13.525,17.081 v1(20.18,17.081)
MAX30003_CS: TP19.1 U1.20 U14.15 | length 75.6
  Top Layer w0.152: U1.20@17.082,12.986 17.082,26.67 17.844,27.432 40.64,27.432 42.164,28.956 45.72,32.512 49.53,32.512 50.292,31.75 50.292,28.448 51.332,27.408 62.23,27.408 U14.15@72.57,27.408
MAX30003_F_CLOCK: C53.1 U14.14 Y1.3 | length 7
  Top Layer w0.152: Y1.3@68.368,28.764 70.166,28.764 71.374,29.972 72.898,29.972 73.43,29.44 U14.14@73.43,28.268
MAX30003_INT1: U1.39 U14.21 | length 80.9
  Top Layer w0.152: v1(14.732,2.032) 14.732,2.794 16.282,4.344 U1.39@16.282,7.086 ; v1(61.214,22.352) 62.23,22.352 62.992,23.114 68.58,23.114 69.874,24.408 U14.21@72.57,24.408
  Bottom Layer w0.152: v1(14.732,2.032) 15.494,2.032 16.459,1.067 25.705,1.067 30.734,6.096 30.734,18.542 34.544,22.352 v1(61.214,22.352)
MAX30003_INT2: U1.38 U14.20 | length 86
  Top Layer w0.152: v1(12.7,1.778) 13.208,1.778 15.882,4.452 U1.38@15.882,7.086 ; v1(54.864,21.59) 55.372,21.59 59.182,25.4 63.5,25.4 65.278,23.622 67.818,23.622 69.104,24.908 U14.20@72.57,24.908
  Bottom Layer w0.152: v1(12.7,1.778) 13.716,1.778 14.732,0.762 26.162,0.762 31.75,6.35 31.75,18.796 34.544,21.59 v1(54.864,21.59)
MAX30102_INT: R30.2 U1.37 U4.13 | length 74.9
  Top Layer w0.152: v1(13.208,3.302) 13.97,3.302 15.482,4.814 U1.37@15.482,7.086 ; v1(28.956,15.494) v1(39.37,15.494) ; U4.13@61.328,7.772 63.144,7.772 63.246,7.874 ; v1(63.246,10.414) 63.246,7.874 ; R30.2@64.77,7.874 63.246,7.874
  Bottom Layer w0.152: v1(13.208,3.302) 14.224,3.302 16.256,5.334 22.098,5.334 23.368,4.064 26.924,4.064 27.94,5.08 27.94,13.462 28.956,14.478 v1(28.956,15.494) ; v1(39.37,15.494) 42.418,15.494 47.498,10.414 v1(63.246,10.414)
MCU_ENABLE_LDO: R2.1 U1.10 U22.2 | length 49.2
  Top Layer w0.152: U22.2@19.348,33.208 17.714,33.208 17.272,32.766 17.272,31.496 18.034,30.734 26.67,30.734 26.924,30.48 26.924,28.956 26.67,28.702 v1(23.622,28.702) ; U1.10@20.632,11.436 22.358,11.436 25.4,14.478 v1(25.4,22.606)
  Bottom Layer w0.152: v1(23.622,28.702) 19.304,28.702 18.034,27.432 18.034,25.654 21.082,22.606 v1(25.4,22.606)
NetC1_1: C1.1 J1.1 TP12.2 | length 12.7
  Top Layer w0.152: J1.1@16.256,62.036 16.301,61.991 C1.1@24.339,61.991 24.384,61.947 TP12.2@24.384,57.404
NetC2_2: C2.2 U1.3 X2.1 | length 6.2
  Top Layer w0.152: U1.3@20.632,8.636 23.114,8.636 23.368,8.89 X2.1@25.146,8.89 25.244,8.988 C2.2@26.67,8.988
NetC3_1: C3.1 C6.1 C7.1 C8.2 C9.1 C11.1 C12.1 C13.2 C14.2 C15.2 TP13.1 U16.2 | length 43.2
  Top Layer w0.152: U16.2@60.706,62.232 60.706,61.468 60.452,61.214 57.404,61.214 56.642,60.452 56.642,58.166 57.65,57.158 C9.1@61.468,57.158 61.476,57.15 62.742,57.15 ; C3.1@62.738,58.42 62.738,57.154 62.742,57.15 ; TP13.1@68.58,73.406 C11.1@68.58,68.58 68.596,68.564 C12.1@68.596,67.056 ; C7.1@68.588,65.532 68.596,65.524 68.596,58.69 67.056,57.15 C6.1@64.008,57.15 62.742,57.15 ; C12.1@68.588,67.056 C12.1@68.596,67.056 ; C13.2@70.644,70.104 C8.2@70.644,68.58 C14.2@70.644,67.056 C15.2@70.644,65.532 C7.1@68.596,65.532 C12.1@68.596,67.056